# Altium PCB Carrier-Board-Apalis.PcbDoc (part 3 of 5)
Units mm, origin at the board's own origin, x right, y up, seen from the top; angles counter-clockwise.
Board outline 97 x 270 mm, 4 copper layers (Top Layer, VCC, GND, Bottom Layer), stack 1.62 mm thick; 326 components, 351 nets, 1611 pads, 935 vias.
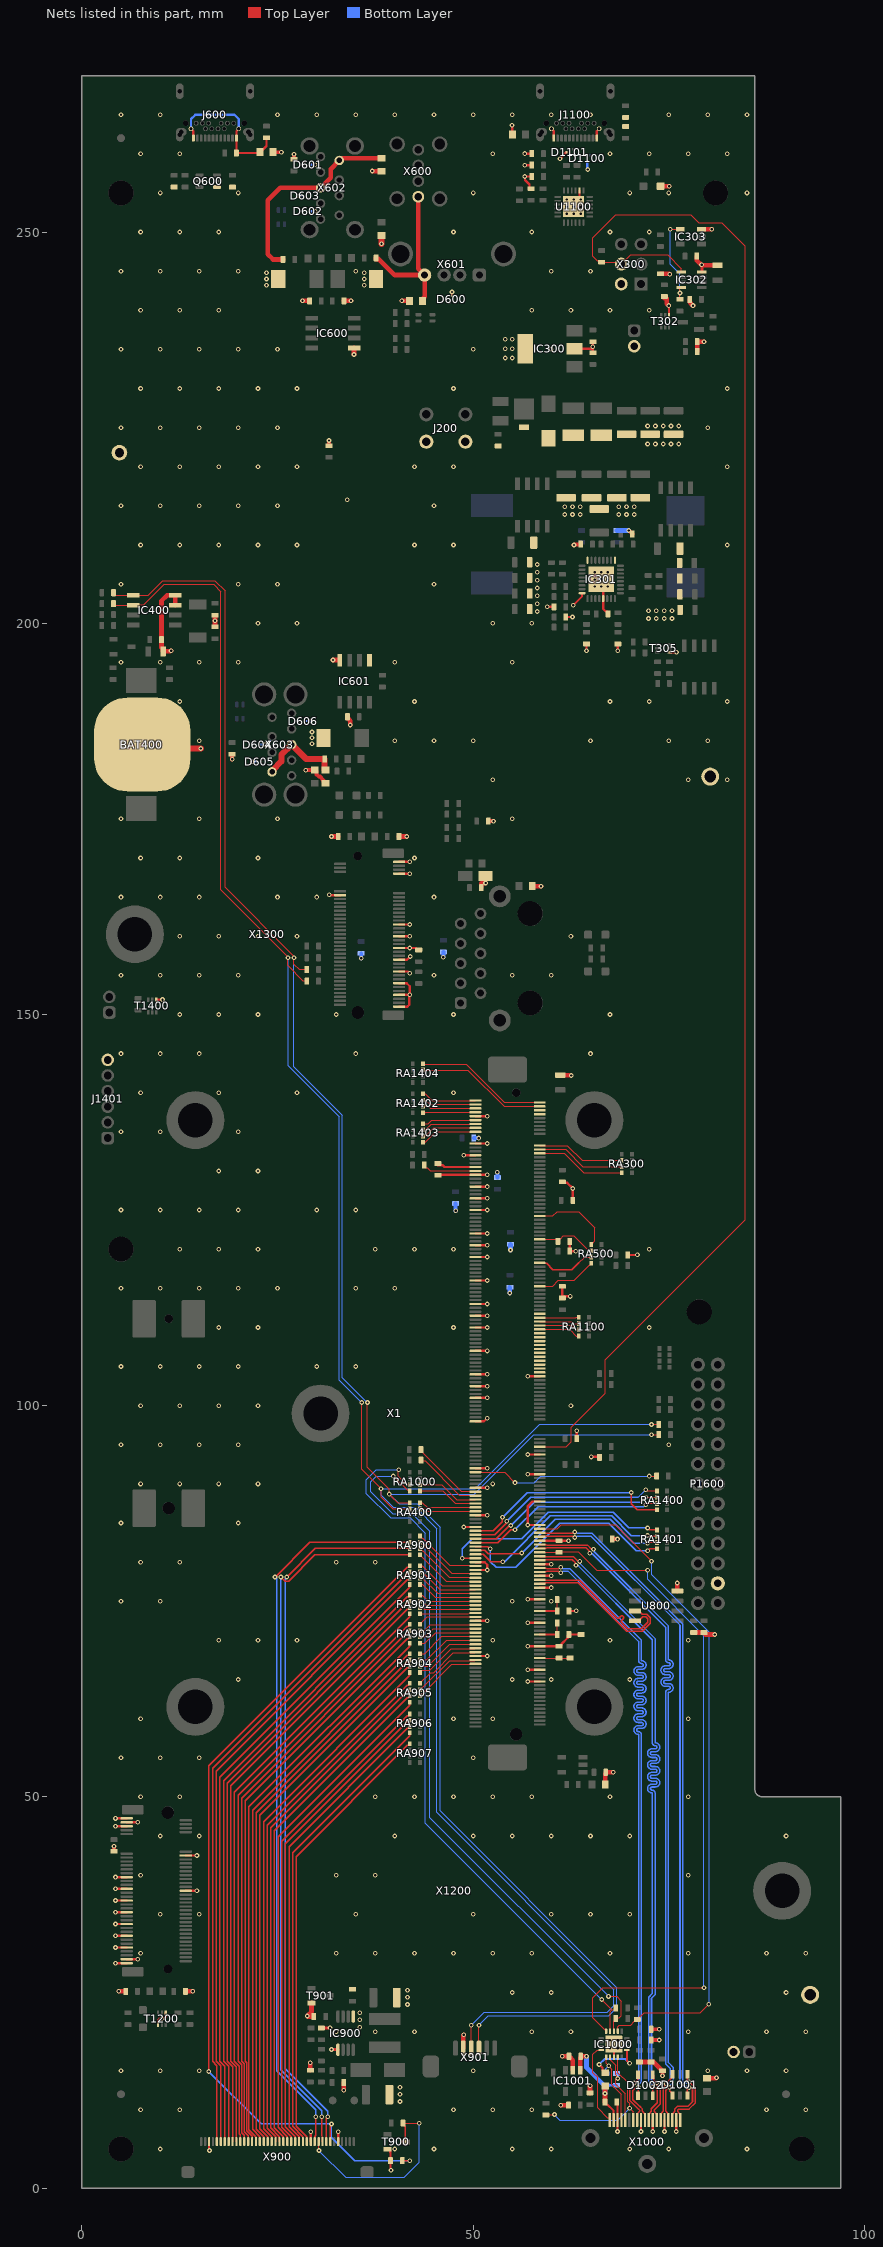
[diagram p5: the nets of this part, all layers, seen from the top]

## Via types
v1: diameter 0.6, hole 0.3, Top Layer to Bottom Layer, tented both sides, 818 vias
v2: diameter 0.6, hole 0.3, Top Layer to Bottom Layer, 117 vias

## Nets (pads, with @x,y where several pads share a name; then routed paths per layer and width w, separated by ;. In a path a pad name is that pad's centre, name@x,y a point inside that pad or via, vN(x,y) a via of type N, cw(c..) or ccw(c..) an arc to the next point about the centre after c; other vN are vias at no path point) (continued)
GND: BAT400.2 C201.1 C202.1 C203.1 C204.2 C205.2 C206.2 C207.2 C208.2 C209.2 C210.1 C300.1 C301.1 C302.1 C303.1 C304.1 C306.1 C307.1 C308.1 C309.1 C310.1 C311.1 C312.1 C313.1 C314.1 C315.1 C316.1 C317.1 C318.1 C320.1 C321.2 C322.1 C323.1 C324.1 C325.1 C326.1 C327.2 C330.1 C400.2 C401.2 C402.1 C403.2 C500.1 C501.1 C502.1 C503.1 C504.1 C505.1 C506.1 C507.1 C508.1 C600.1 C601.2 C603.1 C604.2 C606.1 C607.2 C700.1 C701.1 C702.2 C703.1 C800.2 C801.2 C900.1 C901.1 C902.2 C903.1 C904.1 C905.1 C1000.1 C1001.2 C1002.1 C1003.1 C1004.1 C1005.1 C1006.1 C1007.1 C1008.1 C1009.1 C1010.1 C1100.1 C1101.1 C1102.1 C1200.1 C1201.1 C1202.1 C1203.1 C1204.1 C1300.1 C1301.1 C1302.1 C1303.1 C1400.1 D200.C D600.3 D601.3 D602.3 D603.3 D604.3 D605.3 D606.3 D1100.3 D1101.3 IC300.2 IC300.4 IC301.5 IC301.17 IC301.24 IC301.32 IC301.33 IC302.4 IC303.3 IC400.3 IC400.4 IC600.1 IC601.1 IC601.4 IC900.1 IC900.5 IC1000.12 IC1000.P IC1001.2 J201.1 J300.2 J301.2 J1100.A1 J1100.A12 J1100.B1 J1100.B12 J1401.6 L201.2 L202.1 L203.1 L204.1 L205.1 L302.2 L601.1 L605.1 L608.1 L609.1 L1100.1 P1600.24 Q600.1 R303.1 R304.1 R305.2 R309.1 R317.2 R326.1 R502.1 R504.1 R607.1 R608.1 R902.1 R904.1 R906.1 R1101.1 R1105.1 R1106.1 R1304.1 T302.1 T305.1 T900.2 T901.2 T1200.1 T1200.4 T1400.1 TP200.1 TP201.1 U800.4 U1100.2 U1100.25 X1.9 X1.23 X1.29 X1.39 X1.45 X1.51 X1.57 X1.69 X1.75 X1.81 X1.93 X1.105 X1.111 X1.117 X1.129 X1.141 X1.142 X1.147 X1.153 X1.165 X1.182 X1.189 X1.192 X1.199 X1.206 X1.213 X1.218 X1.219 X1.226 X1.237 X1.238 X1.241 X1.244 X1.250 X1.256 X1.267 X1.268 X1.280 X1.285 X1.292 X1.298 X300.2 X900.3 X900.29 X900.36 X901.2 X1000.2 X1000.5 X1000.8 X1000.11 X1000.17 X1200.1 X1200.3 X1200.9 X1200.15 X1200.21 X1200.27 X1200.33 X1200.38 X1200.39 X1200.45 X1200.56 X1200.71 X1200.73 X1200.75 X1300.1 X1300.7 X1300.18 X1300.33 X1300.39 X1300.45 X1300.51 X1300.57 X1300.63 X1300.69 X1300.75 | length 274
  Top Layer w0.25: v1@56.599,258.458 v1(56.599,258.553) ; v1(62.8,202.3) 63.9,203.4 63.9,203.827 63.923,203.85 IC301.32@63.929,203.85 ; v1(62.859,253.25) 63.609,254 U1100.2@63.609,255.3 ; C1002.1@68.35,10.982 68.46,10.872 X1000.17@68.46,8.7 ; C1001.2@70.922,16.304 70.922,16.286 71.097,16.111 C1001.2@71.247,16.111
  Top Layer w0.3: v1(4.3,28.75) X1200.1@5.725,28.75 ; v1(4.3,30.75) X1200.9@5.725,30.75 ; v1(4.3,32.25) X1200.15@5.725,32.25 ; v1(4.3,33.75) X1200.21@5.725,33.75 ; v1(4.3,35.25) X1200.27@5.725,35.25 ; v1(4.3,36.75) X1200.33@5.725,36.75 ; v1(4.3,38.25) X1200.39@5.725,38.25 ; v1(4.3,39.75) X1200.45@5.725,39.75 ; v1(4.3,46.25) X1200.71@5.725,46.25 ; v1(4.3,47.25) X1200.75@5.725,47.25 ; X1200.3@5.725,29.25 v1(7.15,29.25) ; X1200.73@5.725,46.75 v1(7.15,46.75) ; T1400.1@9.5,151.89 10.29,151.89 v1(10.3,151.9) ; T1200.1@9.73,20.86 9.73,21.479 9.906,21.655 v1(10.203,21.655) 10.5,21.655 10.73,21.885 T1200.4@10.73,22.44 ; X1200.38@13.275,38 v1(14.7,38) ; X1200.56@13.275,42.5 v1(14.7,42.5) ; X900.3@16.25,5.95 16.25,4.85 v1(16.3,4.8) ; X900.29@29.25,5.95 v1(29.25,7.2) ; v1(31.6,165.3) 31.65,165.25 X1300.18@33,165.25 ; X900.36@32.75,5.95 v1(32.75,7.2) ; T900.2@39.05,4.95 39.25,4.95 39.4,4.8 39.4,4.6 39.45,4.55 R902.1@39.45,3.5 39.45,2.35 v1(39.5,2.3) ; X1300.75@40.55,151 41.6,151 41.85,151.25 41.85,152.45 v1(41.9,152.5) ; X1300.69@40.55,152.5 v1(41.9,152.5) ; X1300.63@40.55,154 41.498,154 41.9,153.598 v1(41.9,152.5) ; X1300.57@40.55,155.5 41.65,155.5 v1(41.9,155.25) ; X1300.51@40.55,157 41.555,157 v1(41.955,157.4) ; X1300.45@40.55,158.5 42.65,158.5 42.9,158.25 R1304.1@43.05,158.25 ; X1300.39@40.55,160 v1(41.9,160) ; X1300.33@40.55,161.5 v1(41.9,161.5) ; X1300.7@40.55,168 v1(41.9,168) ; X1300.1@40.55,169.5 v1(41.9,169.5) ; C1200.1@45.5,129.45 45.55,129.5 X1.39@50.3,129.5 v1(51.8,129.5) ; D600.3@47.3,241.825 v1(47.3,242.335) ; v1(48.8,84.5) X1.219@50.3,84.5 ; v1@48.8,132 X1.29@50.3,132 ; X1.285@50.3,68 v1(51.8,68) ; X1.267@50.3,72.5 v1(51.8,72.5) ; X1.241@50.3,79 v1(51.8,79) 51.8,79.679 51.479,80 X1.237@50.3,80 ; X1.213@50.3,86 v1(51.8,86) ; X1.199@50.3,89.5 v1(51.8,89.5) ; X1.189@50.3,92 v1(51.8,92) ; X1.165@50.3,98 51.4,98 v1(51.8,98.4) ; X1.153@50.3,101 v1(51.8,101) ; X1.147@50.3,102.5 v1(51.8,102.5) ; X1.141@50.3,104 v1(51.8,104) ; X1.129@50.3,107 v1(51.8,107) ; X1.117@50.3,110 v1(51.8,110) ; X1.111@50.3,111.5 v1(51.8,111.5) ; X1.105@50.3,113 v1(51.8,113) ; X1.93@50.3,116 v1(51.8,116) ; X1.81@50.3,119 v1(51.8,119) ; X1.75@50.3,120.5 v1(51.8,120.5) ; X1.69@50.3,122 v1(51.8,122) ; X1.57@50.3,125 v1(51.8,125) ; X1.51@50.3,126.5 v1(51.8,126.5) ; X1.45@50.3,128 v1(51.8,128) ; X1.23@50.3,133.5 v1(51.8,133.5) ; X1.9@50.3,137 v1(51.8,137) ; L1100.1@55.019,262.445 v1@55.019,263.605 ; v1(56.599,258.553) C1100.1@57.499,258.553 ; v1(56.599,260.026) C1101.1@57.499,260.026 ; v1(57,64.75) X1.298@58.5,64.75 ; v1(57,66.25) X1.292@58.5,66.25 ; v1(57,69.25) X1.280@58.5,69.25 C900.1@61,69.25 61.15,69.25 61.3,69.4 61.3,69.55 62.1,70.35 62.1,70.6 C501.1@62.25,70.75 R502.1@63.8,70.75 ; v1(57,72.25) X1.268@58.5,72.25 ; v1(57,75.25) X1.256@58.5,75.25 ; v1(57,91.25) X1.192@58.5,91.25 ; v1(57,93.75) X1.182@58.5,93.75 ; v1(57,103.75) X1.142@58.5,103.75 ; R1101.1@57.418,255.55 57.363,255.55 57.213,255.7 57.213,256.087 56.631,256.669 56.631,257.067 v1(56.599,257.098) C1102.1@57.499,257.098 ; X1.250@58.5,76.75 v1(60,76.75) ; X1.244@58.5,78.25 v1(60,78.25) ; X1.238@58.5,79.75 v1(60,79.75) ; X1.226@58.5,82.75 C1008.1@61,82.75 v1(62.2,82.75) ; X1.218@58.5,84.75 v1(57,84.75) 57,87.171 57.579,87.75 X1.206@58.5,87.75 ; v1(59.484,202.1) R303.1@60.35,202.1 ; J1100.B1@60.009,263.2 60.009,263.174 60.309,262.874 J1100.A12@60.309,261.995 ; v1(61.1,259.371) 61.1,259.374 D1101.3@61.939,260.212 ; C208.2@61.35,113.77 C208.2@61.4,113.82 ; C207.2@61.4,115.25 C208.2@61.4,113.82 ; C204.2@61.4,128.6 61.521,128.479 62.021,128.479 v1(62.75,127.75) C205.2@62.75,126.25 ; R326.1@61.85,200.8 v1(62.7,200.8) ; C502.1@62.25,73.75 63.129,73.75 v1(63.179,73.8) ; C500.1@62.35,121.25 C500.1@62.35,121 C206.2@62.35,119.75 v1(63.1,119.75) ; v1(62.4,113.965) 61.545,113.965 C208.2@61.4,113.82 ; IC300.2@62.95,235.082 65.244,235.082 v1@65.3,235.138 ; C210.1@63.25,95.8 v1(63.25,96.8) ; v1(64.5,196.5) C326.1@64.5,197.35 ; v1(65.116,93.45) C1400.1@66.116,93.45 ; C303.1@65.3,234.582 v1@65.3,235.138 ; C304.1@65.3,235.982 v1(65.3,235.338) v1@65.3,235.138 ; J1100.A1@65.809,261.995 65.809,262.874 66.109,263.174 J1100.B12@66.109,263.2 ; IC301.33@66.629,204.54 IC301.5@66.629,203.15 66.629,201.821 66.95,201.5 67.1,201.5 67.25,201.35 C314.1@67.25,201.2 ; IC1000.12@68,16.75 IC1000.P@68,18.4 ; v1(68.46,7.24) X1000.17@68.46,8.7 ; v1(68.5,196.5) C315.1@68.5,197.35 ; R504.1@69.75,119.25 70.95,119.25 v1(71,119.3) ; v1(71.46,7.24) X1000.11@71.46,8.7 ; v1(72.96,7.24) X1000.8@72.96,8.7 ; v1(74.46,7.24) X1000.5@74.46,8.7 ; v1(75.005,240.6) 75.035,240.57 T302.1@75.035,239.39 ; T305.1@75.129,196.315 75.985,196.315 v1(76,196.3) ; v1(75.96,7.24) X1000.2@75.96,8.7
  Top Layer w0.4: C905.1@30.6,20.455 31.596,20.455 31.646,20.505 v1(31.7,20.505) ; v1(31.9,17.705) 32.702,17.705 IC900.5@32.725,17.68 IC900.5@32.725,17.68 ; v1@79.2,245.746 79.245,245.701 IC302.4@79.245,244.875
  Top Layer w0.5: C1301.1@4.1,43.05 v1(4.1,43.7) ; v1(19.2,182.6) C506.1@19.2,183.25 ; L609.1@24.44,260.243 24.483,260.2 v1(25.5,260.2) ; C507.1@27.1,259.3 v1(27.1,259.95) ; v1(28.6,181.208) 28.627,181.208 28.659,181.24 L203.1@29.75,181.24 ; L203.1@30,181.055 30,180.688 30.293,180.395 30.416,180.395 30.9,179.911 30.9,179.745 31.085,179.56 L608.1@31.15,179.56 ; C508.1@31.574,222.7 v1(31.574,223.35) ; C505.1@51.95,174.7 v1(52.6,174.7) ; v1(62.9,210) 62.838,210 62.819,210.019 62.979,210.019 63,210.04 63.7,210.04 63.75,210.09 C300.1@63.75,210.1 ; C1010.1@67.8,82.95 v1(68.45,82.95) ; v1(69.9,211.85) C306.1@70.35,211.4 ; C1003.1@72.76,18.925 v1(73.798,18.925) ; C1005.1@72.761,20.3 v1(73.8,20.3) ; v1(74.2,14.35) C1009.1@74.2,15
  Top Layer w0.6: v1(4.7,25.15) C1203.1@5.608,25.15 ; v1(11.4,196.5) 11.308,196.408 C403.2@10.375,196.408 10.375,196.708 10.175,196.908 C402.1@10.175,197.908 10.175,202.875 10.883,203.583 IC400.4@11.95,203.583 IC400.3@11.95,202.313 ; C1204.1@13.25,25.15 v1(14.158,25.15) ; C400.2@17.02,199.536 v1(17.02,200.3) C401.2@17.02,201.036 ; v1(28.2,241.2) C603.1@29.1,241.2 ; R906.1@29.2,15.055 v1(29.2,16.005) ; T901.2@29.35,23.655 29.35,22.555 v1(28.8,22.005) 28.873,21.932 29.65,21.932 C904.1@29.65,21.93 ; v1(31.9,172.75) C1303.1@32.75,172.75 ; v1(32.1,195.3) IC601.4@32.945,195.3 ; v1(33.475,12.505) R904.1@33.475,13.505 ; C600.1@33.5,241.2 v1(34.4,241.2) ; C606.1@33.95,188.05 33.95,187.9 34.3,187.55 v1(34.3,187) ; v1(34.786,234.345) IC600.1@34.786,235.19 ; v1(37.1,257.8) 37.14,257.76 L605.1@38.3,257.76 ; C1302.1@40.525,172.75 v1(41.5,172.75) ; v1(40.9,241.2) L601.1@41.86,241.2 ; X901.2@48.75,17.9 48.75,19.55 v1(48.8,19.6) ; C703.1@51.043,166.2 51.043,166.788 51.581,166.788 v1(51.593,166.8) ; L205.1@57.554,166.4 v1(58.684,166.4) ; C209.2@61.136,142.25 v1@62.483,142.25 ; v1(61.2,10.6) 61.205,10.605 C1006.1@62.2,10.605 ; v1(61.4,16.851) C1007.1@62.25,16.851 62.25,16.701 62.398,16.701 62.75,16.349 IC1001.2@62.75,15.051 ; C1004.1@64.95,12.163 v1(64.95,13.062) ; L302.2@66.88,51.6 66.88,52.93 66.95,53 C330.1@66.95,53.15 v1(67.9,53.15) ; C1001.2@71.247,16.111 C1000.1@72.747,16.111 73.089,16.111 74.05,15.15 74.05,15 C1009.1@74.2,15 ; R309.1@73.935,244.65 75.075,244.65 v1(75.125,244.6) ; D200.C@73.96,255.862 v1(75.06,255.862) ; C321.2@74.435,241.55 74.706,241.55 74.756,241.5 74.756,240.849 v1(75.005,240.6) ; U800.4@76.1,76.31 v1(76.1,77.34) ; C318.1@77.685,241.4 77.685,241.015 v1(78.1,240.6) ; C801.2@78.2,71 C800.2@79.45,71 ; C327.2@78.585,246.91 78.585,246.361 79.2,245.746 79.204,245.75 C320.1@81.235,245.75 ; C313.1@78.635,234.735 R304.1@78.635,235.985 79.497,235.985 v1(79.5,235.982) ; IC303.3@79.185,250.36 80.494,250.36 v1(80.5,250.366) ; C800.2@79.5,71 C800.2@79.45,71 ; L204.1@79.9,14.04 81.04,14.04 v1(81.1,14.1) ; v1(80.9,70.75) 79.7,70.75 C800.2@79.45,71
  Top Layer w0.8: BAT400.2@7.728,184.5 8.228,184 v1(15.2,184) ; v1(38.3,248.5) L202.1@38.3,249.56
  Bottom Layer w0.3: v1(21.765,182.3) D605.3@22.275,182.3 ; D604.3@22.925,184.5 v1(23.435,184.5) ; v1(27.607,254.62) D603.3@28.118,254.62 ; D606.3@28.725,187.5 v1(29.235,187.5) ; D602.3@29.325,252.65 v1(29.835,252.65) ; D601.3@29.325,258.6 v1(29.835,258.6) ; D1100.3@64.6,258.975 64.6,258.271 64.602,258.27 64.602,258.057 v1(64.659,258)
  Bottom Layer w0.5: v1(35.7,157.17) C1202.1@35.7,157.82 ; v1(46.2,157.325) C701.1@46.2,157.975 ; v1(47.765,124.9) C1201.1@47.765,125.85 ; C1300.1@50.088,134.2 v1(50.738,134.2) ; C700.1@53.1,129.17 v1(53.1,129.82)
  Bottom Layer w0.6: v1(54.7,114.4) C503.1@54.7,115.15 ; v1(54.77,119.9) C504.1@54.771,120.65 ; C311.1@68.379,211.85 v1@69.9,211.85
  other v1: 10,5 40,5 45,5 55,5 60,5 70,5 75,5 85,5 7.5,10 12.5,10 47.5,10 52.5,10 57.5,10 87.5,10 92.5,10 40.66,11.065 40.66,12.005 40.66,12.905 5,15 10,15 15,15 50,15 80,15 85,15 90,15 32.5,20 37.5,20 42.5,20 57.5,20 62.5,20 77.5,20 87.5,20 92.5,20 35.5,20.565 35.5,21.505 35.5,22.405 41.61,23.465 41.61,24.405 55,25 60,25 90,25 41.61,25.305 7.5,30 32.5,30 37.5,30 42.5,30 47.5,30 52.5,30 57.5,30 67.5,30 77.5,30 87.5,30 92.5,30 10,35 15,35 35,35 50,35 60,35 65,35 70,35 7.5,40 32.5,40 37.5,40 77.5,40 10,45 15,45 40,45 50,45 55,45 60,45 65,45 70,45 90,45 7.5,50 12.5,50 37.5,50 42.5,50 47.5,50 52.5,50 57.5,50 67.5,50 77.5,50 5,55 10,55 15,55 50,55 7.5,60 47.5,60 52.5,60 77.5,60 20,65 55,65 60,65 70,65 17.5,70 22.5,70 27.5,70 52.5,70 67.5,70 77.5,70 5,75 10,75 55,75 60,75 7.5,80 12.5,80 32.5,80 37.5,80 5,85 20,85 7.5,90 12.5,90 17.5,90 22.5,90 52.5,90 5,95 10,95 15,95 20,95 75,95 7.5,100 12.5,100 17.5,100 22.5,100 62.5,100 5,105 10,105 15,105 20,105 30,105 35,105 17.5,110 22.5,110 47.5,110 72.5,110 5,115 10,115 15,115 20,115 25,115 35,115 40,115 12.5,120 17.5,120 22.5,120 37.5,120 42.5,120 47.5,120 72.5,120 5,125 10,125 15,125 20,125 30,125 35,125 17.5,130 22.5,130 48.8,132 5,135 10,135 20,135 7.5,140 17.5,140 27.5,140 47.5,140 62.533,142.2 5,145 10,145 15,145 35,145 65,145 12.5,150 17.5,150 22.5,150 32.5,150 47.5,150 67.5,150 5,155 10,155 15,155 20,155 45,155 55,155 60,155 41.9,158.5 12.5,160 17.5,160 22.5,160 27.5,160 62.5,160 5,165 10,165 15,165 25,165 30,165 45,165 7.5,170 12.5,170 22.5,170 42.5,170 5,175 15,175 25,175 55,175 52.5,180 77.5,180 82.5,180 29.4,184.6 15,185 40,185 45,185 50,185 65,185 75,185 80,185 29.4,185.35 29.4,186.1 12.5,190 42.5,190 67.5,190 72.5,190 82.5,190 5,195 10,195 15,195 20,195 40,195 55,195 22.5,200 27.5,200 52.5,200 57.5,200 65.568,204.69 66.397,204.69 67.226,204.69 5,205 20,205 25,205 45,205 65.568,205.6 67.226,205.6 66.397,205.604 65.568,206.518 66.397,206.518 67.226,206.518 7.5,210 12.5,210 17.5,210 22.5,210 27.5,210 42.5,210 47.5,210 82.5,210 5,215 10,215 15,215 20,215 25,215 45,215 33.9,215.8 7.5,220 12.5,220 17.5,220 22.5,220 27.5,220 42.5,220 47.5,220 82.5,220 5,225 10,225 15,225 20,225 25,225 80,225 72.3,225.2 73.3,225.2 74.3,225.2 75.3,225.2 76.3,225.2 7.5,230 12.5,230 17.5,230 22.5,230 27.5,230 47.5,230 82.5,230 5,235 10,235 15,235 20,235 25,235 50,235 60,235 7.5,240 12.5,240 17.5,240 57.5,240 62.5,240 67.5,240 72.5,240 23.6,243.2 36.1,243.2 23.6,244 36.1,244 23.6,244.8 36.1,244.8 5,245 10,245 15,245 20,245 35,245 60,245 65,245 79.2,245.8 7.5,250 12.5,250 17.5,250 47.5,250 57.5,250 67.5,250 72.5,250 61.959,252.35 62.859,252.35 63.759,252.35 61.959,253.25 63.759,253.25 61.959,254.15 62.859,254.15 63.759,254.15 10,255 20,255 50,255 70,255 75,255 85,255 7.5,260 12.5,260 52.5,260 67.5,260 72.5,260 77.5,260 82.5,260 54.979,263.645 5,265 10,265 25,265 30,265 35,265 40,265 45,265 50,265 55,265 60,265 65,265 75,265 80,265 85,265
  other v2: 67.5,17.89 68.5,17.89 67.5,18.89 68.5,18.89 72.42,200.6 73.42,200.6 74.42,200.6 75.42,200.6 58.2,201.5 72.42,201.6 73.42,201.6 74.42,201.6 75.42,201.6 58.2,202.5 58.2,203.5 58.2,204.5 58.2,205.5 58.2,206.5 58.2,207.5 61.7,213.9 62.7,213.9 63.7,213.9 68.6,213.9 69.6,213.9 70.6,213.9 61.7,214.9 62.7,214.9 63.7,214.9 68.6,214.9 69.6,214.9 70.6,214.9 72.3,222.9 73.3,222.9 74.3,222.9 75.3,222.9 76.3,222.9 54.1,233.9 55,233.9 54.1,235.1 55,235.1 54.1,236.3 55,236.3
GND_IN: C200.1 D201.2 D202.2 J200.2 L201.1
GND_USBH2: C602.1 L601.2 X600.4 X601.4 | length 20.9
  Top Layer w0.6: C602.1@37.6,246.7 37.6,246.55 37.95,246.55 40,244.5 X601.4@43.8,244.5 ; X600.4@43,254.51 43,245.3 X601.4@43.8,244.5 ; L601.2@43.54,241.2 43.675,241.335 43.675,241.626 43.8,241.751 X601.4@43.8,244.5
GND_USBH4: C605.1 L605.2 X602.4 X602.7 | length 26.5
  Top Layer w0.6: C605.1@25.7,246.5 24.424,246.5 23.75,247.174 23.75,254.05 25.35,255.65 X602.7@30.5,255.65 31.8,256.95 31.8,258.05 X602.4@32.9,259.15 33.065,259.15 33.355,259.44 L605.2@38.3,259.44
GND_USBO1: C608.1 L608.2 X603.4 X603.7 | length 11
  Top Layer w0.8: X603.4@24.222,181.078 24.268,181.078 24.378,181.188 24.378,181.234 25.5,182.356 25.5,183.2 X603.7@26.8,184.5 28.65,182.65 C608.1@31.021,182.65 31.021,181.369 31.05,181.34 31.05,181.275 31.085,181.24 L608.2@31.15,181.24
GND_USBO2: J600.A1 J600.A12 J600.B1 J600.B12 L609.2 R609.1 R610.1 | length 18.9
  Top Layer w0.3: J600.B1@13.95,263.2 13.95,263.174 14.25,262.874 J600.A12@14.25,261.995 ; J600.B12@20.05,263.2 20.05,263.174 19.75,262.874 J600.A1@19.75,261.995 R609.1@19.75,260.1 22.7,260.1 23.6,261 R610.1@23.6,262.045
  Bottom Layer w0.3: J600.B1@13.95,263.2 13.95,264.45 14.5,265 19.5,265 20.05,264.45 J600.B12@20.05,263.2
HDMI1_CEC: IC1000.13 R1005.1 X1000.13 | length 20.5
  Top Layer w0.15: R1005.1@59.3,9.343 60.343,9.343 v1(60.4,9.4) ; IC1000.13@68.5,16.75 68.5,14.771 69.768,13.503 69.768,11.044 69.999,10.814 v1(69.999,10.213) 70.001,10.213 70.46,9.755 X1000.13@70.46,8.7
  Bottom Layer w0.15: v1(60.4,9.4) 61.1,8.7 68.486,8.7 v1(69.999,10.213)
HDMI1_CEC_MXM3: IC1000.2 R1003.1 X1.220 | length 89.5
  Top Layer w0.15: X1.220@58.5,84.25 60.733,84.25 61.233,84.75 68.18,84.75 v1(72.8,80.13) ; IC1000.2@68.5,20.05 68.5,20.613 68.687,20.8 70.124,20.8 70.625,21.301 70.625,21.33 70.737,21.442 70.75,21.442 70.863,21.555 R1003.1@71,21.555 71.845,22.4 79,22.4 v1(80.1,23.5)
  Bottom Layer w0.15: v1(72.8,80.13) 72.825,80.105 72.825,78.405 80.1,71.13 v1(80.1,23.5)
HDMI1_HPD: IC1000.9 X1000.19 | length 10.7
  Top Layer w0.15: IC1000.9@66.35,17.65 65.85,17.65 65.3,17.1 65.3,14.77 65.9,14.171 65.9,10.26 67.173,8.987 67.385,8.987 67.46,8.912 X1000.19@67.46,8.7
HDMI1_HPD_MXM3: C1008.2 IC1000.5 X1.232 | length 90.8
  Top Layer w0.15: X1.232@58.5,81.25 C1008.2@61,81.25 61.054,81.304 63.446,81.304 65.779,78.971 v1(72.3,78.971) ; IC1000.5@67,20.05 65.3,21.75 65.3,24.3 66.6,25.6 v1(79.5,25.6)
  Bottom Layer w0.15: v1(72.3,78.971) 72.3,77.8 79.5,70.6 v1(79.5,25.6)
HDMI1_TXC_N: D1002.6 X1.242 X1000.12 | length 90.6
  Top Layer w0.198: X1.242@58.5,78.75 58.551,78.801 59.371,78.801 59.391,78.821 60.92,78.821 61.091,78.65 v1(61.2,78.65) ; X1000.12@70.96,8.7 70.96,9.45 71.111,9.601 71.111,9.638 71.281,9.808 71.281,9.973 71.158,10.095 71.105,10.095 70.042,11.158 70.042,12.621 70.528,13.107 70.528,13.349 v1(70.605,13.426) 71.06,13.881 D1002.6@71.06,14.5
  Bottom Layer w0.198: v1(61.2,78.65) 61.309,78.65 61.48,78.821 62.188,78.821 71.148,69.861 71.148,67.446 ccw(c71.55,67.446) 71.55,67.044 cw(c71.55,66.846) 71.748,66.846 cw(c71.55,66.846) 71.55,66.648 71.104,66.648 ccw(c71.104,66.092) 71.104,65.536 71.55,65.536 cw(c71.55,65.338) 71.748,65.338 cw(c71.55,65.338) 71.55,65.14 71.104,65.14 ccw(c71.104,64.584) 71.104,64.028 71.55,64.028 cw(c71.55,63.83) 71.748,63.83 cw(c71.55,63.83) 71.55,63.632 71.104,63.632 ccw(c71.104,63.076) 71.104,62.52 71.55,62.52 cw(c71.55,62.322) 71.748,62.322 cw(c71.55,62.322) 71.55,62.124 71.104,62.124 ccw(c71.104,61.568) 71.104,61.012 71.55,61.012 cw(c71.55,60.814) 71.748,60.814 cw(c71.55,60.814) 71.55,60.616 71.104,60.616 ccw(c71.104,60.06) 71.104,59.504 71.55,59.504 cw(c71.55,59.306) 71.748,59.306 cw(c71.55,59.306) 71.55,59.108 71.104,59.108 ccw(c71.104,58.552) 71.104,57.996 cw(c71.104,57.952) 71.148,57.952 71.148,14.155 71.148,13.727 70.924,13.503 70.682,13.503 v1(70.605,13.426)
HDMI1_TXC_P: D1002.1 X1.240 X1000.10 | length 90
  Top Layer w0.198: X1.240@58.5,79.25 58.551,79.199 59.371,79.199 59.391,79.179 60.92,79.179 ; 70.781,12.854 70.4,12.473 70.4,11.306 71.253,10.453 71.307,10.453 71.639,10.121 71.639,9.808 71.809,9.638 71.809,9.601 71.96,9.45 X1000.10@71.96,8.7 ; D1002.1@71.06,11.8 71.08,11.82 71.08,12.911 v1(71.1,12.931)
  Bottom Layer w0.198: v1(61.2,79.35) 61.309,79.35 61.48,79.179 62.336,79.179 71.506,70.009 71.506,67.446 ccw(c71.55,67.446) 71.55,67.402 cw(c71.55,66.846) 72.106,66.846 cw(c71.55,66.846) 71.55,66.29 71.104,66.29 ccw(c71.104,66.092) 71.104,65.894 71.55,65.894 cw(c71.55,65.338) 72.106,65.338 cw(c71.55,65.338) 71.55,64.782 71.104,64.782 ccw(c71.104,64.584) 71.104,64.386 71.55,64.386 cw(c71.55,63.83) 72.106,63.83 cw(c71.55,63.83) 71.55,63.274 71.104,63.274 ccw(c71.104,63.076) 71.104,62.878 71.55,62.878 cw(c71.55,62.322) 72.106,62.322 cw(c71.55,62.322) 71.55,61.766 71.104,61.766 ccw(c71.104,61.568) 71.104,61.37 71.55,61.37 cw(c71.55,60.814) 72.106,60.814 cw(c71.55,60.814) 71.55,60.258 71.104,60.258 ccw(c71.104,60.06) 71.104,59.862 71.55,59.862 cw(c71.55,59.306) 72.106,59.306 cw(c71.55,59.306) 71.55,58.75 71.104,58.75 ccw(c71.104,58.552) 71.104,58.354 cw(c71.104,57.952) 71.506,57.952 71.506,14.155 71.506,13.579 71.177,13.25
HDMI1_TXD0_N: D1002.3 X1.236 X1000.9 | length 89.4
  Top Layer w0.198: X1.236@58.5,80.25 58.551,80.301 59.371,80.301 59.391,80.321 62.671,80.321 63.073,79.919 63.073,79.677 v1(63.15,79.6) ; X1000.9@72.46,8.7 72.46,9.45 72.611,9.601 72.611,9.638 72.781,9.808 72.781,10.144 73.547,10.91 73.547,12.586 73.278,12.854 73.037,12.854 v1(72.96,12.931) D1002.3@72.96,11.8
  Bottom Layer w0.198: v1(63.15,79.6) 63.227,79.523 63.468,79.523 72.9,70.092 72.9,56.946 ccw(c73.302,56.946) 73.302,56.544 cw(c73.302,56.346) 73.5,56.346 cw(c73.302,56.346) 73.302,56.148 72.856,56.148 ccw(c72.856,55.592) 72.856,55.036 73.302,55.036 cw(c73.302,54.838) 73.5,54.838 cw(c73.302,54.838) 73.302,54.64 72.856,54.64 ccw(c72.856,54.084) 72.856,53.528 73.302,53.528 cw(c73.302,53.33) 73.5,53.33 cw(c73.302,53.33) 73.302,53.132 72.856,53.132 ccw(c72.856,52.576) 72.856,52.02 73.302,52.02 cw(c73.302,51.822) 73.5,51.822 cw(c73.302,51.822) 73.302,51.624 72.856,51.624 ccw(c72.856,51.068) 72.856,50.512 cw(c72.856,50.468) 72.9,50.468 72.9,24.857 72.442,24.399 72.442,13.691 72.883,13.25 72.883,13.008 v1(72.96,12.931)